# Allegro board RK_EXCAVATOR_MAIN_V12_20161114_FZBFINAL.brd (continued)
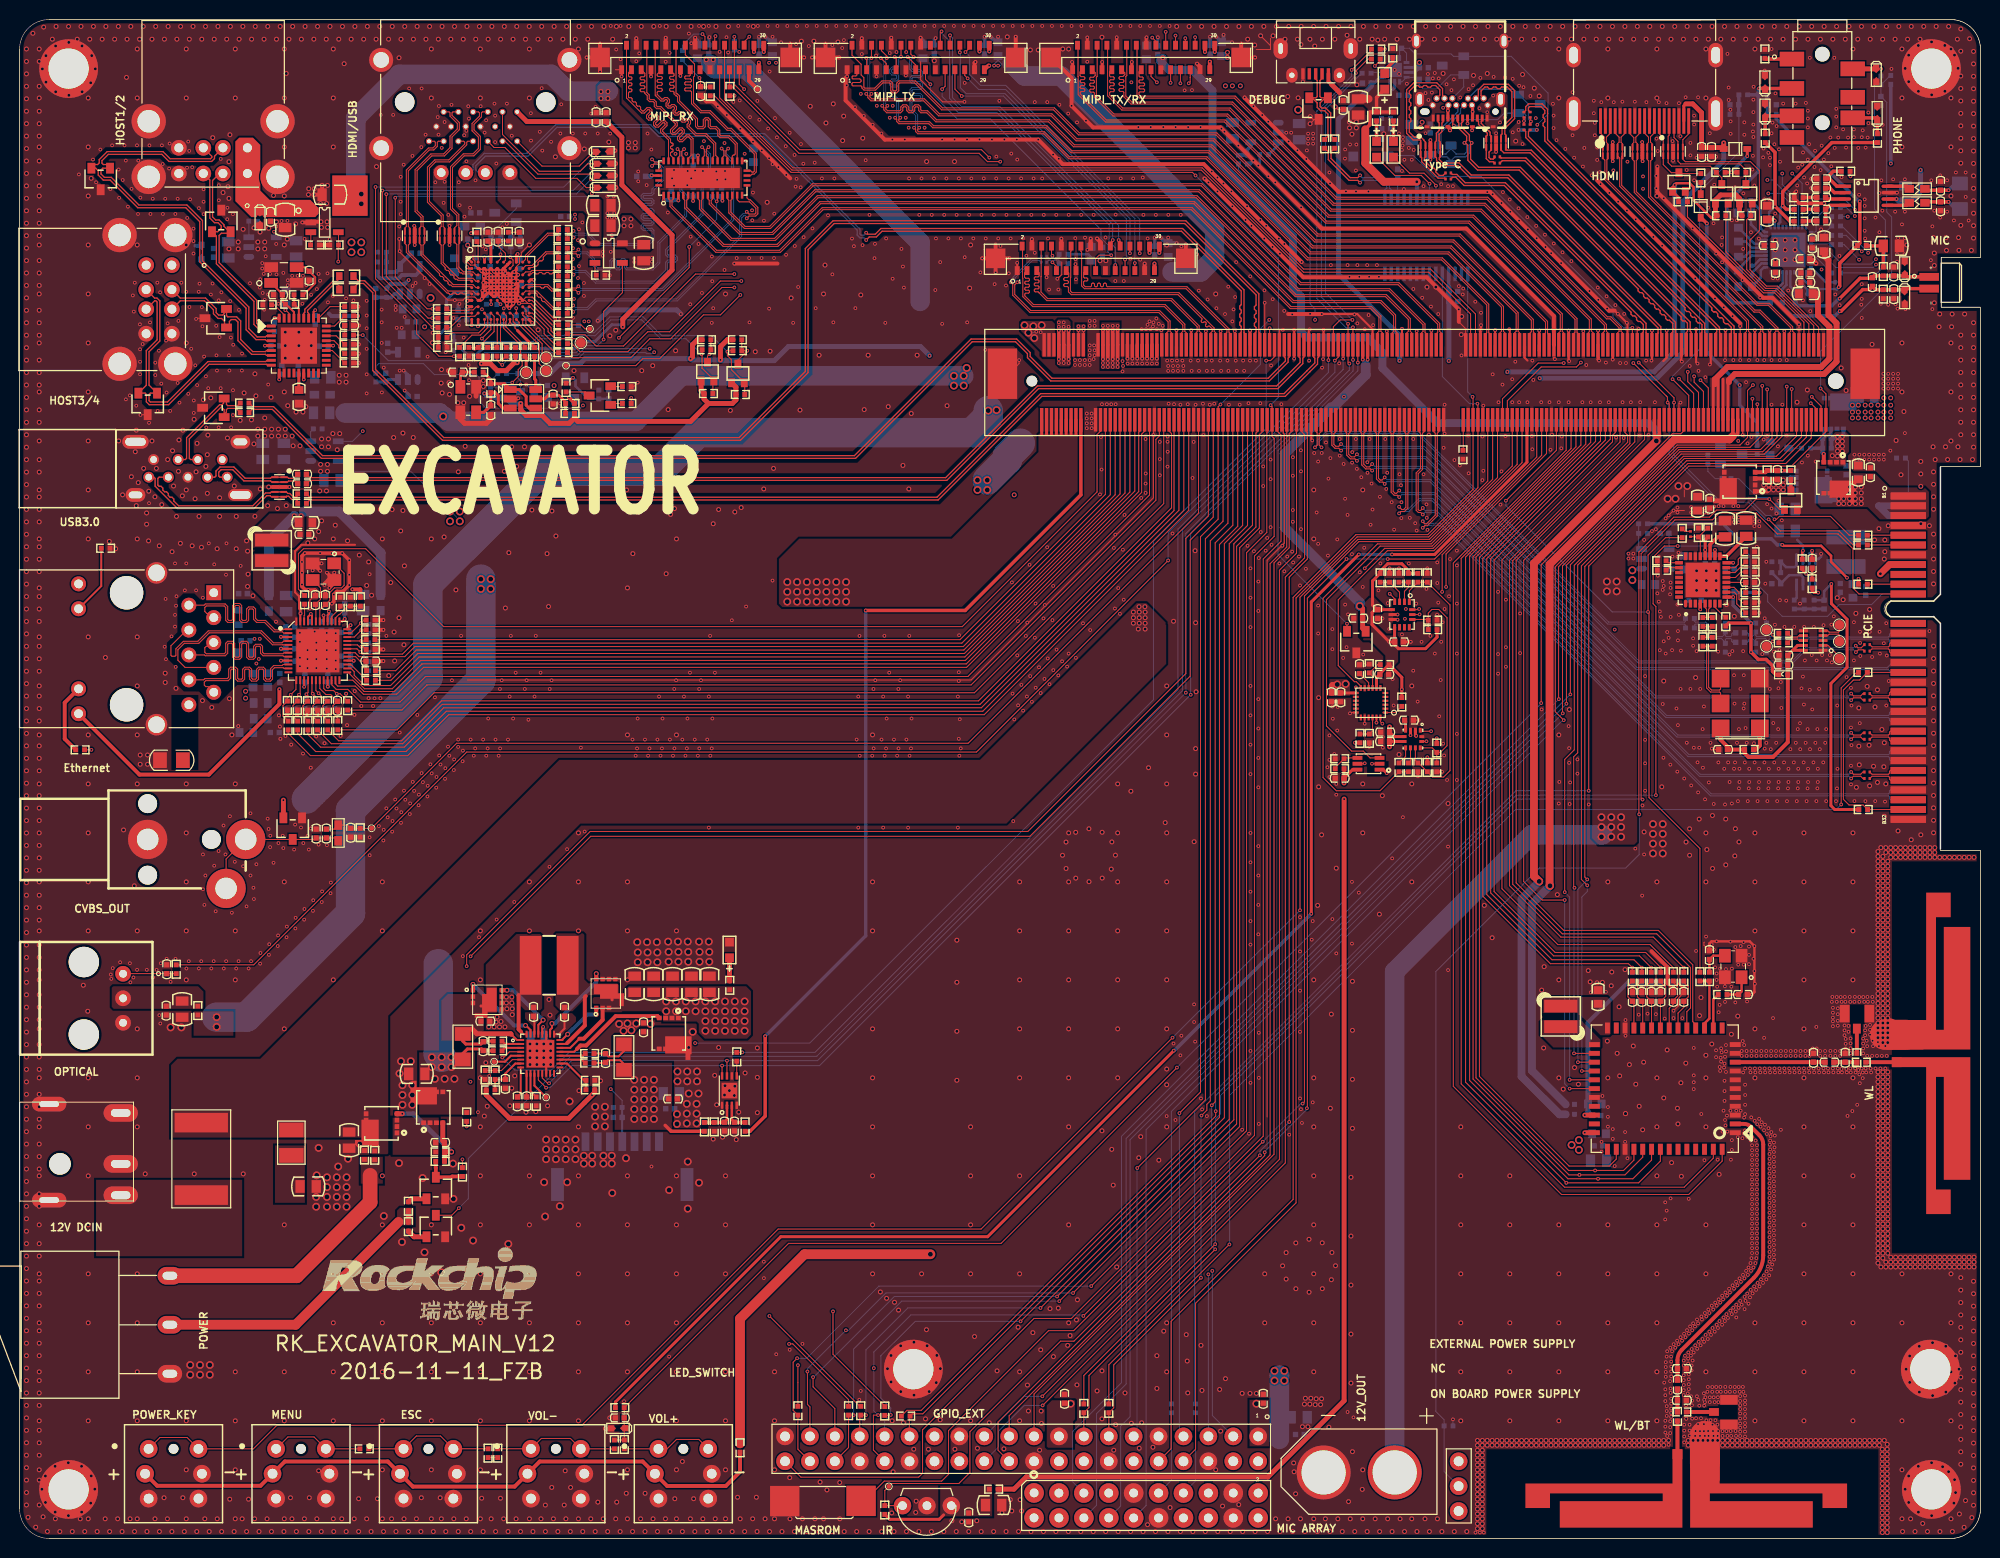
[diagram p0: board, top side]
## Routing (per net, layer and track width the routed paths; a pad name or vN(x,y) marks a point on that pad's centre or on a via; arc(x,y) is an arc through that point) (continued)
N15063119: length 4
  BOTTOM w0.25: U7101.20 177.98,133.32 177.6,133.7 177.6,135.5 R7106.1
N15063155: length 3.1
  BOTTOM w0.25: TP7104.1 184.24,128.2 U7101.40
N15063255: length 2.8
  BOTTOM w0.102: U7101.37 183.06,130.92 R7103.1
N15063549: length 2.6
  BOTTOM w0.25: TP7103.1 182.36,127.44 181.42,128.38 U7101.3
N15063579: length 2.1
  BOTTOM w0.25: TP7101.1 176.71,129.16 177.67,130.12 U7101.12
N15063597: length 1.7
  BOTTOM w0.25: TP7102.1 176.89,129.89 177.52,130.52 U7101.13
N15064277: length 2.8
  BOTTOM w0.25: U7101.7 179.82,128.07 178.75,127 C7102.2
N15065593: length 15.4
  TOP w0.102: L9001.2 32.21,71.48 C9001.2 C9005.1 30.1,71.33 D9001.3 J9003.3 21.06,69.33 J9003.2
N15067353: length 6.4
  TOP w0.305: R9014.1 88.75,1.95 93.8,1.95 94.25,2.4
N15083301: length 28.9
  TOP w0.5: R519.2 R512.1
  TOP w1: 38.65,32.3 28.16,21.81 S501.2
N15134350: length 1.7
  BOTTOM w0.102: U8905.3 R8915.1
N15156394: length 2.4
  TOP w0.5: R511.2 72.41,56.92 LED501.1
N15173581: length 10.8
  TOP w0.127: 20.87,114.72 21.09,114.94 21.09,115.19 21.22,115.32 22.08,115.32 R8916.2 ; 20.87,114.72 20.87,115.18 20.63,115.42 20.52,115.42 17.31,112.21 17.31,110.23 17.44,110.1 CON8901.2 ; 20.87,114.72 U8909.1
N15173585: length 11
  TOP w0.127: CON8901.3 16.9,110.1 17.03,110.23 17.03,112.33 20.4,115.7 20.65,115.7 20.8,115.85 20.8,116.27 U8909.2 21.1,116.1 21.1,115.73 21.23,115.6 22.23,115.6 R8917.2
N15174093: length 1.4
  BOTTOM w0.102: U8913.3 29.69,112.97 R8923.1
N15325259: length 3.2
  TOP w0.102: U8904.28 31.66,125.71 R8910.2
N15325289: length 2.6
  TOP w0.102: R8912.2 32.55,121.52 32.55,121.75 32.07,122.23 U8904.24
N15325321: length 2.2
  TOP w0.102: R8911.2 32.29,122.73 U8904.25
N15325477: length 1.7
  TOP w0.3: C8919.2 28.48,117.22 U8904.14
N15325611: length 5.6
  TOP w0.127: U8904.30 29.48,125.02 29.37,125.13 29.37,125.32 32.05,128 32.4,128 32.61,127.79 R8904.1
N15325615: length 6
  TOP w0.127: R8903.1 32.61,128.56 32.33,128.28 31.93,128.28 29.09,125.44 29.09,125.13 28.98,125.02 U8904.31
N15325641: length 1.6
  TOP w0.102: U8904.34 27.48,125.02 27.15,125.35 v1(27.1,125.35)
  BOTTOM w0.3: v1(27.1,125.35) 27.18,125.43 C8902.1
N15325671: length 2.1
  TOP w0.102: U8904.35 26.98,124.88 25.96,125.9 R8902.1
N15325713: length 2.4
  TOP w0.102: R8913.2 31.89,121.23 U8904.22
N15325815: length 2.3
  TOP w0.102: R8906.2 32.13,123.73 U8904.27
N15325983: length 4.7
  TOP w0.2: R8901.1 28.97,126.92 30.15,128.1 30.15,128.7 C8901.1 29.12,129.74 Y8901.3
N15378271: length 2.7
  BOTTOM w0.102: U8303.3 165.15,101.27 R8336.1 R8335.2
N15378353: length 1.6
  BOTTOM w0.102: C8332.1 168.25,102.56 U8303.4
N15380549: length 4.2
  TOP w0.102: R8314.1 171.21,102.22 C8313.2 ; R8314.1 172.14,103.1 R8315.1 ; R8314.1 171.43,102 U8302.21
N15380862: length 3
  TOP w0.35: U8302.19 172.43,101.43 173.21,102.21 C8322.1
N15380875: length 3.5
  TOP w0.35: U8302.17 174.09,100.23 C8321.1
N15381535: length 1.9
  TOP w0.102: U8302.7 172.93,95.02 173.94,94.01 R8328.2
N15386584: length 3
  TOP w0.102: U8302.12 176.05,97.57 C8324.1 R8329.2
N15387466: length 1.4
  TOP w0.102: R8320.2 168.15,99.57 U8302.25
N15387470: length 1.4
  TOP w0.102: R8322.2 168.21,99.07 U8302.26
N15389997: length 2.4
  TOP w0.102: R8324.2 174.97,98.57 U8302.14
N15412125: length 2.2
  TOP w0.102: U8302.13 175.02,98.07 175.58,98.63 R8323.2
N15412129: length 2.9
  TOP w0.102: R8325.2 175.3,99.93 175.3,99.4 174.97,99.07 U8302.15
N15412144: length 3
  TOP w0.102: R8326.2 175.73,95.49 175.38,95.85 175.38,96.56 174.87,97.07 U8302.11
N15412148: length 3.4
  TOP w0.102: R8327.2 175.15,95.38 175.15,96.31 174.89,96.57 U8302.10
N15446354: length 2.3
  TOP w0.102: U8301.2 184.47,91.13 185.62,89.98 TP8301.1
N15446570: length 2.4
  TOP w0.102: U8301.4 184.42,92.13 184.57,92.28 185.51,92.28 185.62,92.18 TP8303.1
N15446574: length 2.4
  TOP w0.102: TP8305.1 185.62,92.59 185.51,92.48 184.57,92.48 184.42,92.63 U8301.5
N15446739: length 1.8
  TOP w0.102: U8301.8 181.48,91.63 181.33,91.78 180.72,91.78 R8303.1
N15446741: length 1.8
  TOP w0.102: U8301.7 181.48,92.13 181.33,91.98 180.73,91.98 R8301.1
N15848389: length 9.6
  TOP w0.102: R8106.2 U8105.2 30.03,10.35 27.37,10.35 U8105.1
N15897623: length 1.3
  TOP w0.102: R8921.1 58.69,129.04 U8912.3
N15964726: length 3.9
  TOP w0.35: R2501.1 188.4,131.9 C2503.1 190.1,131.9 R2500.2
N15965181: length 2.4
  BOTTOM w0.25: C2500.2 181.11,127.27 180.62,127.76 U7101.5
N15965221: length 2.4
  BOTTOM w0.25: C2501.2 179.79,127.49 180.22,127.92 U7101.6
N16044066: length 2.8
  TOP w0.4: R6103.2 ANT6103.1
N16100332: length 2.6
  TOP w0.4: R9016.2 177.1,80.51 177.5,80.91 U8916.1
N16101038: length 7.3
  TOP w0.102: U8916.5 173.5,86.27 173.4,86.37 172.49,86.37 172.07,86.79 172.07,90.95 171.97,91.05 R9017.1
N16101042: length 7
  TOP w0.102: R9018.1 172.38,91.05 172.28,90.95 172.28,86.87 172.57,86.58 173.4,86.58 173.5,86.68 U8916.4
N16352744: length 4.6
  TOP w0.102: U8503.J7 50.1,125.05 50.34,124.81 50.34,124.16 50.53,123.98 50.53,123.52 50.78,123.28
  TOP w0.3: 50.78,123.28 R8502.2
N16519464: length 3.9
  TOP w0.26: U23033.2 72.15,42.73 C50056.1
  TOP w0.35: C50056.1 71.88,42.45 R2237.2 R2233.1
N16519582: length 2.9
  TOP w0.26: U23033.3 72.65,42.73 C50057.1
  TOP w0.35: R2234.1 72.92,42.45 C50057.1
N16716934: length 5.6
  BOTTOM w0.381: R8963.1 R9025.1 R8944.2 38.42,129.24 38.8,129.62 U8911.4 38.8,130.02 C50060.2
N16716974: length 2.6
  BOTTOM w0.381: C50059.1 R8946.2 37.91,126.65 38.26,127 U8911.3
N16728445: length 2.4
  BOTTOM w0.305: R89527.2 C50042.1 37.59,118.26 U23031.3
N16729605: length 4.7
  TOP w0.254: R89530.2 R89529.2 55.69,115.97 54.98,116.68 C8504.2
  TOP w0.305: U8502.5 53.57,116.3 53.95,116.68 C8504.2
N16735818: length 1.8
  TOP w0.254: C903.2 v1(182.84,100.79)
  BOTTOM w0.254: U900.3 182.55,100.5 v1(182.84,100.79)
N16735886: length 3
  BOTTOM w0.305: R908.2 R910.1 R906.2 C904.2
N16735898: length 1.7
  BOTTOM w0.254: R908.1 181.25,95.99 U900.8
N16735910: length 4.9
  BOTTOM w0.254: U900.7 181.9,98.1 181.7,98.3 180.49,98.3 C908.1 179.63,97.65 R907.1
N16735918: length 2
  TOP w0.254: R905.2 181.82,98.86 v1(182.23,98.45)
  BOTTOM w0.254: v1(182.23,98.45) 182.55,98.13 U900.6
N16735938: length 1.1
  TOP w0.254: R904.2 C903.1
N16735942: length 1.9
  TOP w0.254: v1(183.45,96.52) 183.04,96.52 182.84,96.72 R904.1
  BOTTOM w0.254: U900.5 183.2,96.76 v1(183.45,96.52)
N16735950: length 3.7
  BOTTOM w0.254: R907.2 R909.1 180.17,99.12 181.07,99.12 181.25,99.3 U900.1
N16740044: length 6.6
  TOP w0.102: v1(56.45,118.45) 55.9,117.9 R89542.1
  BOTTOM w0.254: Q8505.1 v1(56.45,118.45) 56.7,118.19 56.7,117.6 58.01,116.29 R89541.2 C50065.2
N16740100: length 2.5
  TOP w0.102: Q8504.3 57.73,117 R89542.2
N16774281: length 1.7
  BOTTOM w0.254: U90010.3 128.38,142.2 R89544.1
N16795367: length 1.8
  TOP w0.102: v1(138.23,150.27) 138.79,150.82 R89546.1
  BOTTOM w0.102: v1(138.23,150.27) 138.38,150.12 U8914.6
N16795370: length 1.9
  TOP w0.102: R89547.1 v1(139.25,151.99)
  BOTTOM w0.102: v1(139.25,151.99) 139.05,151.79 U8914.7
N16795373: length 1.2
  BOTTOM w0.102: U8914.5 137.94,149.62 R8928.1
N16817852: length 146
  TOP w0.102: v1(73.52,126.9) 71.48,124.87 69.76,124.87 65.29,120.4 63.56,120.4 62.85,119.68 TP50264.1
  S1 w0.102: v1(178.37,137.26) 177.76,137.26 175.99,135.49 174.77,135.49 167.7,128.42 155.61,128.42 148.09,135.94 134.59,135.94 133.62,136.91 119.79,136.91 118.42,138.28 113.44,138.28 109.99,141.73 92.62,141.73 78.7,127.81 75.14,127.81 74.23,126.9 v1(73.52,126.9)
  BOTTOM w0.102: U7101.26 180.62,136.23 179.59,137.26 v1(178.37,137.26)
N16818658: length 6.5
  TOP w0.102: U8503.K8 50.96,124.11 50.96,123.85 52.99,121.82 52.99,119.89 TP50268.1
N16818661: length 4.9
  TOP w0.102: U8503.K9 51.32,123.9 53.3,121.92 53.3,120.9 TP50267.1
N16818664: length 6.7
  TOP w0.102: U8503.J10 52.3,125.05 53.91,123.44 53.91,123.14 54.62,122.43 56.85,122.43 TP50266.1
N58796181: length 4.3
  TOP w0.3: R4506.1 v1(174.6,139.41) R4502.1 ; D4501.2 v1(176.22,141.07)
  BOTTOM w0.35: v1(174.6,139.41) 174.6,139.45 v1(176.22,141.07)
N59272826: length 2.8
  TOP w0.35: J7103.1 178.1,150.97 R7127.1
N59272968: length 4.1
  TOP w0.35: R7124.2 189.49,143.36 ED7101.1 189.37,144.97 J7103.7
N59272970: length 4.5
  TOP w0.35: J7103.3 178.12,145.17 ED7103.1 R7122.2
N59274794: length 3.9
  TOP w0.35: FB7102.2 194.44,136.4 C7125.2 v1(196.75,136.4)
  BOTTOM w0.35: J7104.2 197.48,135.67 v1(196.75,136.4)
N59274796: length 3.9
  TOP w0.35: v1(196.75,137.59) C7121.1 194.49,137.59 FB7101.2
  BOTTOM w0.35: J7104.1 197.43,138.27 v1(196.75,137.59)
N59274798: length 2.3
  TOP w0.35: FB7102.1 192.48,136.04 U7102.5
N59274800: length 2.3
  TOP w0.35: FB7101.1 192.48,137.99 U7102.8
N59274804: length 1.4
  TOP w0.35: R7126.2 181.94,134.45 C7126.1
N59274823: length 2.1
  TOP w0.35: U7102.2 185.11,137.34 184.65,137.8 C7122.2
N59274825: length 2
  TOP w0.35: C7124.2 184.37,136.69 U7102.3
N59274837: length 1.4
  TOP w0.35: R7125.2 181.94,136.85 C7124.1
N61624710: length 4.2
  TOP w0.35: U7102.1 185.36,137.99 184.6,138.75 C7120.2 184.99,139.52 R7123.2
N61688341: length 1.2
  TOP w0.102: D4502.2 171.49,137.2 R4504.1
N62644273: length 9.5
  TOP w0.203: 50.15,51.45 50.73,50.86 U501.1
  TOP w0.305: R502.2 45.21,50.75 45.51,50.45 47.05,50.45 C503.2 47.34,50.75 R507.1
  TOP w0.5: 50.15,51.45 50.09,51.5 46.65,51.5 46.15,52
N62644275: length 2
  TOP w0.203: R507.2 49.5,50.46 U501.2
N62644542: length 4.1
  TOP w0.102: R520.2 R517.2 49.14,47.74 50.26,48.86 U501.6
N62644564: length 4.7
  TOP w0.203: R514.2 48.5,45.78 R517.1 48.5,46.84 C517.2 49.54,47.44 50.56,48.46 U501.7
N62644679: length 8.8
  TOP w0.203: U501.31 52.11,51.89 51.65,52.35 v2(51.6,52.35)
  TOP w0.4: Q503.1 v2(46.24,56.54)
  BOTTOM w0.4: v2(51.6,52.35) 50.43,52.35 v2(46.24,56.54)
N62644727: length 7.1
  TOP w0.203: v2(53.4,52.9) 52.91,52.41 U501.29
  TOP w0.4: Q503.8 v2(49.71,55.94)
  BOTTOM w0.4: v2(53.4,52.9) 50.36,55.94 v2(49.71,55.94)
N62644729: length 4.5
  TOP w0.203: U501.32 51.39,51.46 51.15,51.7
  TOP w0.4: 51.15,51.7 50.9,51.95 50.9,55.45
N62644843: length 8.8
  TOP w0.203: U501.26 54.11,51.91 54.3,52.1 v2(54.3,52.55)
  TOP w0.4: Q504.8 v2(58.82,57.63)
  BOTTOM w0.4: v2(54.3,52.55) 54.6,52.55 58.82,56.77 v2(58.82,57.63)
N62644900: length 6.4
  TOP w0.203: U501.23 55.76,50.46 55.85,50.55
  TOP w0.4: 57.75,55.35 57.65,55.25 57.65,52.35 55.85,50.55
N62644906: length 5.5
  TOP w0.203: U501.24 55.31,50.86 v2(55.9,51.45)
  TOP w0.4: Q504.1 v2(58.82,53.47)
  BOTTOM w0.4: v2(55.9,51.45) 57.92,53.47 v2(58.82,53.47)
N62645064: length 4.3
  TOP w0.203: U501.18 55.84,48.46 57.56,46.74 R518.1 R516.1
N62645078: length 2.4
  TOP w0.203: U501.9 51.71,45.07 C519.1
N62645082: length 3.2
  TOP w0.203: U501.8 51.11,45.4 C520.1
N62645094: length 2.6
  TOP w0.203: U501.10 52.11,45.63 R521.1
N62645124: length 1.9
  TOP w0.203: U501.30 52.51,53.2 C510.2
N62645126: length 2.6
  TOP w0.203: U501.25 55.01,51.46 55.58,52.03 C507.2
N62645172: length 2
  TOP w0.203: U501.3 49.51,50.06 R506.2
N66050367: length 3.8
  TOP w0.102: R8509.1 54.97,129.1 54.87,129.2 54.44,129.2 54.29,129.05 54.08,129.05 53.94,129.2 53.73,129.2 53.58,129.05 53.38,129.05 53.23,129.2 53.03,129.2 52.88,129.05 52.68,129.05 52.53,129.2 52.35,129.2 52.2,129.05 52.07,129.05 U8503.C10
N66050369: length 4.2
  TOP w0.102: U8503.C9 51.62,129.25 52.11,129.25 52.26,129.4 54.87,129.4 54.97,129.5 R8510.1
N66050371: length 4.2
  TOP w0.102: R8511.1 54.97,125.3 54.87,125.4 54.36,125.4 53.54,126.22 53.38,126.22 53.24,126.36 53.24,126.53 53.09,126.67 52.93,126.67 52.79,126.81 52.79,126.98 52.67,127.1 52.07,127.1 U8503.F10
N66050373: length 4.8
  TOP w0.102: R8514.1 54.97,125.7 54.87,125.6 54.45,125.6 52.75,127.3 51.98,127.3 51.62,127.3 U8503.F9
N66050375: length 3.7
  TOP w0.102: R8515.1 54.97,127.2 54.87,127.3 54.26,127.3 53.82,127.75 53.58,127.75 53.44,127.6 53.23,127.6 53.09,127.75 52.07,127.75 U8503.E10
N66050377: length 4.2
  TOP w0.102: U8503.E9 51.62,127.95 53.9,127.95 54.35,127.5 54.8,127.5 54.97,127.67 R8518.1
N66050379: length 4.2
  TOP w0.102: R8519.1 54.97,131 54.87,131.1 53.75,131.1 53.42,130.77 53.42,130.52 53.27,130.37 53.15,130.37 53.02,130.37 52.88,130.23 52.88,129.98 52.73,129.84 52.61,129.84 52.49,129.84 52.35,129.7 52.07,129.7 U8503.B10
N66050381: length 4.7
  TOP w0.102: R8522.1 54.97,131.4 54.87,131.3 53.66,131.3 52.26,129.9 51.62,129.9 U8503.B9
N66050383: length 5.1
  TOP w0.102: U8503.A10 51.8,130.42 51.8,130.86 53.94,133 54.87,133 54.97,132.9 R8523.1
N66050385: length 5.4
  TOP w0.102: U8503.A9 51.6,130.53 51.6,130.95 53.85,133.2 54.87,133.2 54.97,133.3 R8525.1
N66050754: length 2.7
  BOTTOM w0.102: C8511.2 51.05,132.73 R8539.2 51.08,133.93 Q8501.2
N66050782: length 5.6
  BOTTOM w0.102: R8535.1 49.05,132.73 C8510.2 48.09,133.15 50.66,135.73 Q8501.1
N66050908: length 3.6
  TOP w0.102: U8503.A6 49.55,130.43 49.55,131.15 48.81,131.89 C8513.1 R8538.2
N66051127: length 6.2
  TOP w0.3: U8502.3 49.3,115.35 48.83,115.82 48.83,116.62 48.51,116.94 R8506.1 C8506.2 47.72,115.24 47.67,115.24 47.35,114.92 Y8501.3
N66051175: length 2.8
  TOP w0.3: R8508.1 C8505.1 44.96,118.82 Y8501.1
N66051187: length 0.9
  TOP w0.102: U8503.G4 48.07,125.98 v1(48.1,125.95)
  BOTTOM w0.102: R8532.2 v1(48.1,125.95)
N66051189: length 7.6
  TOP w0.3: R8508.2 48.06,118.25 R8506.2
  TOP w0.305: U8502.4 51.98,115.35 51.67,115.65 51.67,116.54 50.96,117.25 U8502.1 49.46,117.84 R8506.2
N66051220: length 3.4
  TOP w0.3: R8502.1 52.52,118.33 52.65,118.2
  TOP w0.305: U8502.6 52.65,118.2
N66051903: length 5.3
  TOP w0.102: U8503.J3 47.42,124.98 47.75,124.65 47.75,123.57 47.43,123.25 47.43,123.23 47,122.8 46.14,122.8 R8527.2
N66051964: length 3.8
  TOP w0.102: U8503.J2 46.75,125.05 46.43,124.73 46.02,124.73 45.99,124.7 45.05,124.7 43.94,123.59 R8513.2
N66051966: length 2.8
  TOP w0.102: U8503.J1 44.08,125.05 R8517.2
N66051998: length 3.4
  TOP w0.102: U8503.H2 46.58,125.7 46.25,125.37 45.84,125.37 45.8,125.33 43.72,125.33 R8521.2
N66052000: length 5
  TOP w0.102: R8524.2 44.06,123.03 46.83,123.03 47.42,123.62 U8503.K3
N66052017: length 1.8
  TOP w0.102: U8503.A5 49.05,130.58 v1(49.05,131.05)
  BOTTOM w0.102: R8535.2 49.07,131.07 v1(49.05,131.05)
N66052058: length 2.5
  TOP w0.102: U8503.B7 50.33,129.91 50.33,130.47 v1(50.05,130.75)
  BOTTOM w0.102: C8511.1 50.11,130.81 v1(50.05,130.75)
N66052142: length 1.1
  TOP w0.102: R8538.1 C8512.1
N66052163: length 2.2
  TOP w0.102: R8531.2 46.77,132.23 U8503.A2
N66052184: length 2.3
  TOP w0.3: U8503.A4 48.07,132.1 C8507.1
N66052326: length 4
  TOP w0.102: R8534.1 54.76,123.85 52.26,126.35 51.97,126.35 U8503.G10
N66052328: length 5.8
  TOP w0.102: R8528.1 54.62,121.01 53.96,121.66 51.64,123.98 51.64,124.51 51.32,124.83 U8503.J9
N66052330: length 4.3
  TOP w0.102: U8503.H10 52.06,125.7 54.21,123.55 54.21,123.24 54.52,122.94 R8529.1
N66052332: length 5.7
  TOP w0.102: U8503.H9 51.65,125.36 51.65,124.94 51.85,124.74 52.16,124.74 53.5,123.4 53.5,122.94 54.52,121.92 R8530.1
N66052339: length 0.9
  TOP w0.102: U8503.G5 48.72,126.28 v1(49.05,125.95)
  BOTTOM w0.102: v1(49.05,125.95) 49.04,125.94 R8507.1
N66052404: length 4.5
  TOP w0.102: R8536.1 51.53,121.72 49.6,123.65 49.6,124.2 49.67,124.27 49.67,124.75 U8503.J6
N66052415: length 1.7
  TOP w0.305: R8536.2 51.67,120.51 TP50263.1
N147164006: length 1.8
  TOP w0.102: R8001.1 141.37,79.81 U8001.7
N147172240: length 1.9
  TOP w0.102: U8002.1 140.36,84.28 R8005.1
N167282351: length 1
  BOTTOM w0.305: C50035.2 37.55,121.06 U23031.4
N167397720: length 1.2
  TOP w0.102: R8545.2 60.43,115.82 Q8504.1
N167397721: length 1.2
  TOP w0.102: R8546.1 60.33,117.55 Q8504.2
N1463967322: length 2.9
  TOP w0.203: TP501.1 52.51,46.21 U501.11
N1463967330: length 3
  TOP w0.203: U501.5 50.11,49.26 49.5,48.65 TP502.1

## Copper pours and planes (outline as drawn; the poured copper is in the pictures)
12V_OUT on TOP: 176.05,105.9 176.05,109.3 170.2,109.3 160.85,99.95 160.4,99.5 160.4,71.45 161.05,70.8 164.7,70.8 165,71.1 165,96.5 163.8,97.7 163.8,100.6 168.9,105.7 175.85,105.7
12V_OUT on BOTTOM: 142.15,3.7 144.22,5.77 144.22,57.85 155.15,68.77 163.22,68.77 164.05,69.6 164.05,73.8 163.75,74.1 152.8,74.1 136.55,57.85 136.55,4.8 137.65,3.7
12V_OUT on S1: 171.1,105.9 170.8,105.6 167.7,105.6 163.7,101.6 163.4,101.3 163.4,96.4 163,96 160.7,96 160.15,96.55 160.15,103.5 165.25,108.6 170.9,108.6 171.1,108.4
AVDD1V0_RGMII on BOTTOM: 24.9,95.2 24.9,93.85 26.45,93.85 26.45,92.1 25.6,91.25 25.6,89.75 26.35,89 27.4,89 27.5,89.1 27.5,90.15 27,90.15 26.98,90.18 26.62,90.18 26.25,90.55 26.25,91 26.8,91.55 27.35,91.55 27.5,91.7 27.5,93.45 27.9,93.85 27.9,94.35 28.85,95.3 30.55,95.3 31.35,94.5 31.35,93.4 31.55,93.2 32,93.2 32.25,93.45 32.25,94.35 30.9,95.7 28.1,95.7 27.6,95.2
AVDD3V3_RGMII on BOTTOM: 24.5,84.65 24.5,87.4 24.15,87.4 22.95,88.6 22.95,93.5 22.75,93.7 21.75,93.7 21.6,93.55 21.6,86.4 23.35,84.65
AVDD3V3_RGMII on BOTTOM: 29.2,94.55 29.2,93.25 31.1,93.25 31.1,94.55
AVDD3V3_RGMII on S1: 31.3,94.15 30.7,94.75 28.6,94.75 22.55,88.7 22.55,85.6 22.9,85.25 23.45,85.25 31.3,93.1
DVDD1V0_RGMII on BOTTOM: 33.5,88.65 34.15,88.65 34.55,89.05 34.55,93.05 35.45,93.95 37.25,93.95 37.55,94.25 37.55,95.1 37.35,95.3 34.45,95.3 34,94.85 34,94.05 33.35,93.4 33.35,88.8
DVDD3V3_RGMII on BOTTOM: 24.85,87.7 24.7,87.55 24.7,85 25.1,84.6 26.45,84.6 26.7,84.35 32.6,84.35 32.7,84.45 32.7,84.75 32.5,84.95 26.9,84.95 26.55,85.3 26.55,85.85 27.2,86.5 35.3,86.5 36.9,88.1 36.9,93.45 36.75,93.6 36.25,93.6 36.15,93.5 36.15,88.2 35.65,87.7
GND on TOP (solid shape): 173.4,5.6 186.4,5.6 186.4,3.1 183.9,3.1 183.9,4.6 172.4,4.6 172.4,3.8 182.9,3.8 182.9,1.1 170.4,1.1 170.4,9.1 173.4,9.1
GND on TOP (solid shape): 196.97,63.4 195.47,63.4 195.47,51.9 196.27,51.9 196.27,62.4 198.97,62.4 198.97,49.9 190.97,49.9 190.97,52.9 194.47,52.9 194.47,65.9 196.97,65.9
GND on TOP: 3,0.38 1.15,1.15 0.38,3 0.38,152 1.15,153.85 3,154.62 197,154.62 198.85,153.85 199.62,152 199.62,131.13 195.62,131.13 195.62,125.27 199.62,125.27 199.62,109.78 195.54,109.78 195.54,96.5 195.08,96.04 190.96,96.04 189.8,94.87 190.96,93.7 195.08,93.7 195.54,93.24 195.54,69.82 199.62,69.82 199.62,3 198.85,1.15 197,0.38 ; 45 cut-outs
GND on BOTTOM: 3,0.38 1.15,1.15 0.38,3 0.38,152 1.15,153.85 3,154.62 197,154.62 198.85,153.85 199.62,152 199.62,131.13 195.62,131.13 195.62,125.27 199.62,125.27 199.62,109.78 195.54,109.78 195.54,96.5 195.08,96.04 190.96,96.04 189.8,94.87 190.96,93.7 195.08,93.7 195.54,93.24 195.54,69.82 199.62,69.82 199.62,3 198.85,1.15 197,0.38 ; 19 cut-outs
GND on GND1, POWER, GND2: 3,0.38 1.15,1.15 0.38,3 0.38,152 1.15,153.85 3,154.62 197,154.62 198.85,153.85 199.62,152 199.62,131.13 195.62,131.13 195.62,125.27 199.62,125.27 199.62,109.78 195.54,109.78 195.54,96.5 195.08,96.04 190.96,96.04 189.8,94.87 190.96,93.7 195.08,93.7 195.54,93.24 195.54,69.82 199.62,69.82 199.62,3 198.85,1.15 197,0.38
GND on S1: 3,0.38 1.15,1.15 0.38,3 0.38,152 1.15,153.85 3,154.62 197,154.62 198.85,153.85 199.62,152 199.62,131.13 195.62,131.13 195.62,125.27 199.62,125.27 199.62,109.78 195.54,109.78 195.54,96.5 195.08,96.04 190.96,96.04 189.8,94.87 190.96,93.7 195.08,93.7 195.54,93.24 195.54,69.82 199.62,69.82 199.62,3 198.85,1.15 197,0.38 ; 11 cut-outs
VBUS_TYPEC on BOTTOM: 140.62,145.43 141.28,144.77 141.28,143.53 141.5,143.3 142.95,143.3 143.55,143.9 144.2,143.9 146.05,145.75 146.05,146.4 145.85,146.6 145.25,146.6 143.85,145.2 142.75,145.2 141.02,146.93 141.02,147.63 140.4,148.25 140.1,148.25 139.95,148.1 139.7,148.1 138.13,146.53 138.13,144.68 138.26,144.55 139.2,144.55 139.25,144.6 139.25,145.3 139.38,145.43
VBUS_TYPEC on BOTTOM: 127.57,146.2 127.57,144.48 128.07,143.97 131.02,143.97 131.33,144.27 131.33,146.3 131.02,146.61 127.97,146.61
VBUS_TYPEC on S1: 145.5,146.6 146,146.6 146.1,146.5 146.1,145.9 146.2,145.8 147.6,145.8 147.8,146 147.8,146.5 147.9,146.6 148.4,146.6 148.7,146.3 148.7,145.4 148.4,145.1 146.6,145.1 145.2,143.7 140.94,143.7 139.66,144.98 135.49,144.98 134.48,143.97 129.8,143.97 129.7,144.07 129.7,146.3 130,146.61 132.24,146.61 133.15,147.52 139.98,147.52 142.7,144.8 143.7,144.8
VCC1V8_S3 on TOP: 93.13,151.3 93.58,151.3 93.85,151.03 93.85,149.45 93.8,149.4 93.15,149.4 93.12,149.42 93.12,150.52 93.12,150.52 93.12,150.63 92.97,150.78 92.97,151.14
VCC1V8_S3 on TOP: 116.1,151.3 116.8,151.3 117.05,151.05 117.05,150.55 116.9,150.4 116.9,149.45 116.85,149.4 116.14,149.4 116.12,149.42 116.12,150.66 115.99,150.79 115.99,151.19
VCC1V8_S3 on BOTTOM: 91.6,151.8 91.6,150.15 93.9,150.15 93.9,151.8
VCC1V8_S3 on BOTTOM: 114.3,151.8 114.3,150.15 117.2,150.15 117.2,151.8
VCC3V3_S3 on TOP: 107.2,124.15 106.95,124.4 105.95,124.4 105.8,124.25 105.8,123.2 105.82,123.17 105.82,119.87 106.1,119.6 107.05,119.6 107.25,119.8 107.25,123 107.2,123.05
VCC3V3_S3 on TOP: 138,96 137.7,96 136.7,95 136.7,92.05 137.1,91.65 137.75,91.65 139.3,90.1 139.3,89 139.55,88.75 139.9,88.75 140.6,89.45 140.6,91.8 140.25,92.15 139.35,92.15 138.05,93.45 138.05,94.3 138.25,94.5 138.9,94.5 139.25,94.85 139.25,94.95 138.15,96.05 138.05,96.05
VCC3V3_S3 on TOP: 69.97,149.5 69.97,150.32 69.75,150.55 69.75,151.15 69.9,151.3 70.8,151.3 71.05,151.05 71.05,150.55 70.9,150.4 70.9,149.45 70.85,149.4 70.07,149.4
VCC3V3_S3 on TOP: 110.33,129 110.33,129.82 110.1,130.05 110.1,130.65 110.25,130.8 111.15,130.8 111.4,130.55 111.4,130.05 111.25,129.9 111.25,128.95 111.2,128.9 110.43,128.9
VCC3V3_S3 on TOP: 133.6,87.7 133.6,86 135.7,86 135.7,87.35 135.35,87.7
VCC3V3_S3 on BOTTOM: 68.6,151.8 68.6,150.15 69.75,149 75.3,149 75.4,149.1 75.4,149.7 74.3,150.8 71.2,150.8 70.9,151.1 70.9,151.8
VCC3V3_S3 on BOTTOM: 93.9,111.3 93.25,111.95 93.25,113.6 98.7,119.05 98.7,119.1 100.3,120.7 103,120.7 105,122.7 105,124.2 104.7,124.5 89.05,124.5 73.65,139.9 73.65,140.75 73.85,140.95 75.3,140.95 89.3,126.95 106.25,126.95 108.95,129.65 108.95,131.3 111.25,131.3 111.7,130.85 111.7,128.75 108.55,125.6 108.55,123.9 107.75,123.1 107.75,120.5 106.9,119.65 106.65,119.65 98.3,111.3
VCC3V3_S3 on BOTTOM: 56.8,134.3 56.95,134.45 56.95,135.25 56.85,135.35 55.9,135.35 55.8,135.25 55.8,134.35 55.85,134.3
VCC3V3_S3 on BOTTOM: 23.25,84.3 23.25,78.35 28.6,73 31.4,73 31.75,73.35 31.75,75.7 25.9,81.55 25.9,84.3
VCC3V3_S3 on BOTTOM: 136.85,96.1 136.4,96.1 136,95.7 136,89.9 133.5,87.4 133.5,86.75 134.85,85.4 134.85,75.25 135,75.1 136.3,75.1 136.5,75.3 136.5,79.75 137.3,80.55 142.05,80.55 143.3,79.3 144,79.3 144.9,80.2 144.9,82.2 141.4,85.7 141.4,90.3 138.3,93.4 138.3,94.65
VCC3V3_S3 on BOTTOM: 56.8,123.35 58.15,123.35 58.3,123.5 58.3,124.25 58.15,124.4 57.55,124.4 57.3,124.15 56.7,124.15 56.65,124.1 56.65,123.5
VCC3V3_S3 on S1: 99.1,113.95 99.05,113.95 98.25,114.75 98.25,116 98.5,116.25 99.7,116.25 111.35,104.6 111.35,94.6 113.65,92.3 131.55,92.3 135.85,88 135.85,86.5 135.2,85.85 133.4,85.85 129.23,90.02 112.63,90.02 112.43,90.22 112.43,90.32 108.95,93.8 108.95,104.1
VCC3V3_S3 on S1: 59.1,133.55 63.05,133.55 63.2,133.7 63.2,138 63.48,138.28 63.48,141.58 65.05,143.15 74.15,143.15 75.65,141.65 75.65,139.9 75.62,139.88 75.62,133.83 66.9,125.1 66.45,124.65 58.8,124.65 57.45,123.3 56.35,123.3 55.9,123.75 55.9,135.05 56.35,135.5 57.15,135.5
VCC3V3_SYS on TOP: 104.9,9.25 107.45,9.25 107.45,11.95 107.65,12.15 107.65,14.05 107.6,14.1 105.3,14.1 104.77,13.58 104.77,9.37
VCC3V3_SYS on TOP: 104.22,120.73 104.4,120.55 105.65,120.55 105.65,123.9 105.3,124.25 102.3,124.25 102.14,124.09 102.14,123.24 104.22,121.15
VCC3V3_SYS on TOP: 125.45,14.15 125.45,9.4 127.45,9.4 127.45,14.15
VCC3V3_SYS on BOTTOM: 40.39,127.41 40.39,126.39 39.99,125.98 39.99,124.97 40.09,124.87 41.51,124.87 41.82,125.17 41.82,125.48 42.63,126.29 42.63,127.1 42.12,127.61 40.6,127.61
VCC3V3_SYS on BOTTOM: 157.85,41.85 157.85,37.85 160.95,37.85 160.95,41.85
VCC3V3_SYS on BOTTOM: 31.05,114.03 31.05,117.4 33.5,117.4 33.5,116.6 34.1,116 40.09,116 40.09,116.03 40.19,116.13 40.19,118.67 40.5,118.97 41.31,118.97 42.32,117.96 42.32,116.43 42.76,116 43.5,116 44.4,115.1 60.8,115.1 61.32,115.62 61.32,116.03 61.32,116.03 61.32,116.43 60.92,116.84 57.77,116.84 57.06,117.55 57.06,118.87 57.16,118.97 61.63,118.97 62.03,118.57 65.94,118.57 67.14,119.76 93.06,119.76 97.65,124.35 104.35,124.35 104.75,123.95 104.75,122.85 102.8,120.9 100.2,120.9 96.7,117.4 96.65,117.4 94.57,115.32 69.15,115.32 66.63,112.8 42.75,112.8 41.75,113.8 31.28,113.8
VCC3V3_SYS on S1: 91.35,28.8 106.85,13.3 126.45,13.3 126.8,13.65 126.8,14.2 126.5,14.5 108.4,14.5 95.25,27.65 95.25,109.6 96.4,110.75 98.45,110.75 105.8,103.4 105.8,92.25 110.85,87.2 120,87.2 121.55,85.65 121.55,76.25 136.37,61.43 136.37,48.09 145.65,38.81 159.11,38.81 160.2,39.9 160.2,41.15 159.49,41.86 158.55,41.86 158.25,41.55 146.87,41.55 139.01,49.42 139.01,62.34 124.6,76.75 124.6,86.25 121.5,89.35 111.7,89.35 107.45,93.6 107.45,104.45 97.45,114.45 97.45,119.4 96.85,120 94.7,120 91.35,116.65
VCC5V0_FT232_U2 on TOP: 134.45,147.9 134.45,146.3 137.1,146.3 137.5,145.9 137.5,145.4 137.65,145.25 140.45,145.25 140.6,145.4 140.6,147.65 139.9,148.35 137.85,148.35 137.4,147.9
VCC5V0_HDMI on TOP: 107.8,123.9 107.8,120.65 108.7,120.65 108.7,123.9
VCC5V0_HDMI on S1: 107.9,123.95 108.5,123.95 108.95,123.5 108.95,122.8 108.75,122.8 108.4,123.15 107.85,123.15 107.8,123.2 107.8,123.85
